# Altium PCB quadruped.PcbDoc (continued)
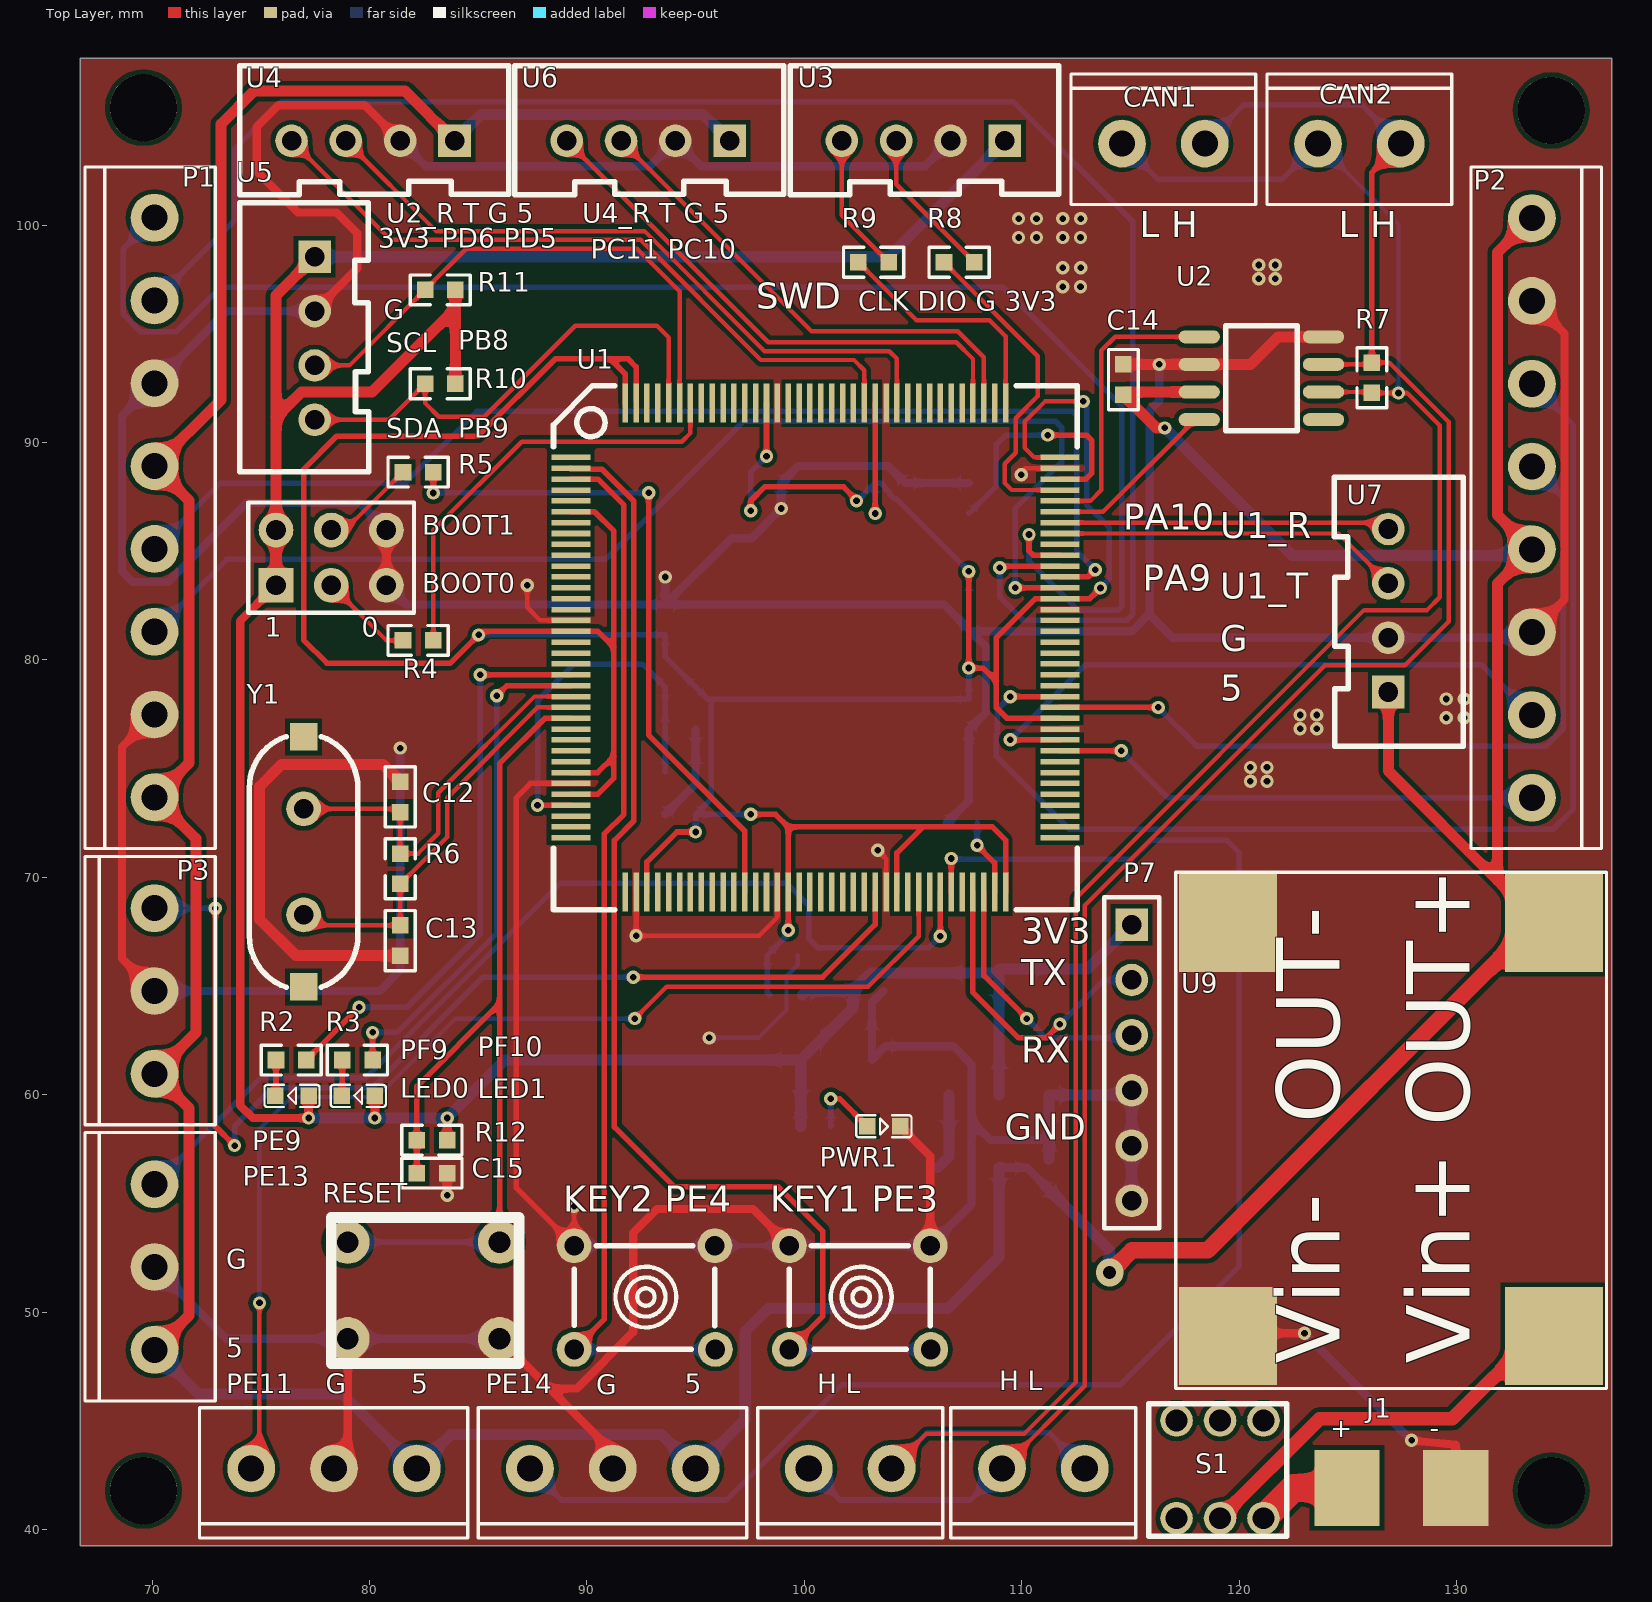
[diagram p0: Top Layer view]
## Footprints (in the part's own frame and the unit in brackets; to place one, negate y for a bottom-side part, rotate by r counter-clockwise, add the part's x,y. Pads: shape width x height; smd on the part's side, far side on the other; paste and mask are expansions set on the pad) (continued)
KEY_M [mm]
  round 1.6 hole 0.9: 1(-3.302,2.362) 1(3.175,2.362) 2(-3.302,-2.413) 2(3.2,-2.413)
  silkscreen extent -3.3,-2.41 3.17,2.36, body extent -4.18,-3.27 4.09,3.23, height 4.3
KF3.81直针-2P [mm]
  round 2.2 hole 1.2: 1(0,0) 2(3.81,0)
  silkscreen extent -2.35,-2.8 6.16,3.2
KF3.81直针-3P [mm]
  round 2.2 hole 1.2: 1(0,0) 2(3.81,0) 3(7.62,0)
  silkscreen extent -2.35,-2.8 10,3.2
KF3.81直针-8P [mm]
  round 2.2 hole 1.2: 1(0,0) 2(3.81,0) 3(7.62,0) 4(11.43,0) 5(15.24,0) 6(19.05,0) 7(22.86,0) 8(26.67,0)
  silkscreen extent -2.35,-2.8 29,3.2
LC-SOD-123F [mm]
  rect 1.25x1 smd: 1(1.475,0) 2(-1.475,0)
  silkscreen extent -2.59,-0.7 3.35,0.7, body extent -1.9,-0.85 1.85,0.85, height 1.2
lQFP144 [mm]
  rect 1.8x0.254 smd: 1(-11.185,8.56) 2(-11.185,8.06) 3(-11.185,7.56) 4(-11.185,7.06) 5(-11.185,6.56) 6(-11.185,6.06) 7(-11.185,5.56) 8(-11.185,5.06) 9(-11.185,4.56) 10(-11.185,4.06) 11(-11.185,3.56) 12(-11.185,3.06) 13(-11.185,2.56) 14(-11.185,2.06) 15(-11.185,1.56) 16(-11.185,1.06) 17(-11.185,0.56) 18(-11.185,0.06) 19(-11.185,-0.44) 20(-11.185,-0.94) 21(-11.185,-1.44) 22(-11.185,-1.94) 23(-11.185,-2.44) 24(-11.185,-2.94) 25(-11.185,-3.44) 26(-11.185,-3.94) 27(-11.185,-4.44) 28(-11.185,-4.94) 29(-11.185,-5.44) 30(-11.185,-5.94) 31(-11.185,-6.44) 32(-11.185,-6.94) 33(-11.185,-7.44) 34(-11.185,-7.94) 35(-11.185,-8.44) 36(-11.185,-8.94) 73(11.315,-8.94) 74(11.315,-8.44) 75(11.315,-7.94) 76(11.315,-7.44) 77(11.315,-6.94) 78(11.315,-6.44) 79(11.315,-5.94) 80(11.315,-5.44) 81(11.315,-4.94) 82(11.315,-4.44) 83(11.315,-3.94) 84(11.315,-3.44) 85(11.315,-2.94) 86(11.315,-2.44) 87(11.315,-1.94) 88(11.315,-1.44) 89(11.315,-0.94) 90(11.315,-0.44) 91(11.315,0.06) 92(11.315,0.56) 93(11.315,1.06) 94(11.315,1.56) 95(11.315,2.06) 96(11.315,2.56) 97(11.315,3.06) 98(11.315,3.56) 99(11.315,4.06) 100(11.315,4.56) 101(11.315,5.06) 102(11.315,5.56) 103(11.315,6.06) 104(11.315,6.56) 105(11.315,7.06) 106(11.315,7.56) 107(11.315,8.06) 108(11.315,8.56)
  rect 0.254x1.8 smd: 37(-8.685,-11.44) 38(-8.185,-11.44) 39(-7.685,-11.44) 40(-7.185,-11.44) 41(-6.685,-11.44) 42(-6.185,-11.44) 43(-5.685,-11.44) 44(-5.185,-11.44) 45(-4.685,-11.44) 46(-4.185,-11.44) 47(-3.685,-11.44) 48(-3.185,-11.44) 49(-2.685,-11.44) 50(-2.185,-11.44) 51(-1.685,-11.44) 52(-1.185,-11.44) 53(-0.685,-11.44) 54(-0.185,-11.44) 55(0.315,-11.44) 56(0.815,-11.44) 57(1.315,-11.44) 58(1.815,-11.44) 59(2.315,-11.44) 60(2.815,-11.44) 61(3.315,-11.44) 62(3.815,-11.44) 63(4.315,-11.44) 64(4.815,-11.44) 65(5.315,-11.44) 66(5.815,-11.44) 67(6.315,-11.44) 68(6.815,-11.44) 69(7.315,-11.44) 70(7.815,-11.44) 71(8.315,-11.44) 72(8.815,-11.44) 109(8.815,11.06) 110(8.315,11.06) 111(7.815,11.06) 112(7.315,11.06) 113(6.815,11.06) 114(6.315,11.06) 115(5.815,11.06) 116(5.315,11.06) 117(4.815,11.06) 118(4.315,11.06) 119(3.815,11.06) 120(3.315,11.06) 121(2.815,11.06) 122(2.315,11.06) 123(1.815,11.06) 124(1.315,11.06) 125(0.815,11.06) 126(0.315,11.06) 127(-0.185,11.06) 128(-0.685,11.06) 129(-1.185,11.06) 130(-1.685,11.06) 131(-2.185,11.06) 132(-2.685,11.06) 133(-3.185,11.06) 134(-3.685,11.06) 135(-4.185,11.06) 136(-4.685,11.06) 137(-5.185,11.06) 138(-5.685,11.06) 139(-6.185,11.06) 140(-6.685,11.06) 141(-7.185,11.06) 142(-7.685,11.06) 143(-8.185,11.06) 144(-8.685,11.06)
  silkscreen extent -11.99,-12.24 12.11,11.86, body extent -10.82,-11.07 10.95,10.7, height 1.71
"MP1584N DC-DC" [mm]
  rect 4.5x4.5 smd: 1(0,0) 2(0,15) 3(19,0) 4(19,15)
  silkscreen extent -2.41,-2.41 21.34,17.4
POWER_PAD [mm]
  rect 3x3.5 smd: 0(5,0) 1(0,0)
R0603 [mil]
  rect 30x30 smd: 1(0,0) 2(55,0)
  silkscreen extent -27,-27 82,27, body extent -4,-18 58,16, height 18
SOP8 [mm]
  round 0.508 on Top Overlay: 0(-3.175,-2.858)
  oval 0.6x1.9 smd: 1(-1.905,-2.858) 2(-0.635,-2.858) 3(0.635,-2.858) 4(1.905,-2.858) 5(1.905,2.858) 6(0.635,2.858) 7(-0.635,2.858) 8(-1.905,2.858)
  silkscreen extent -2.41,-1.65 2.41,1.65, body extent -2.49,-1.99 2.49,1.99, height 1.75
SOT223 [mm]
  rect 1x2.4 smd: 1(-2.3,-2.9) 2(0,-2.9) 3(2.3,-2.9)
  rect 3.4x2.4 smd: 4(0,2.9)
  silkscreen extent -3.48,-3.02 3.35,1.3, body extent -3.35,-1.85 3.35,1.85, height 1.8
XH2.54-4 [mm]
  rect 1.5x1.5 hole 0.9: 1(0,0)
  round 1.5 hole 0.9: 2(2.5,0) 3(5,0) 4(7.5,0)
  silkscreen extent -2.49,-3.45 9.88,2.49, body extent -2.47,-3.38 9.93,2.37, height 7
XTAL_US [mm]
  round 1.6 hole 0.9: 1(-2.44,0) 2(2.44,0)
  rect 1.27x1.27 smd: ""(-5.75,0) ""(5.75,0)
  silkscreen extent -5.77,-2.5 5.77,2.5, body extent -5.39,-2.26 5.41,2.24, height 3.5
自锁开关5.8*5.8 [mm]
  round 1.5 hole 1: 1(0,-4.5) 2(2,-4.5) 3(4,-4.5) 4(0,0) 5(2,0) 6(4,0)
  silkscreen extent -1.27,-5.33 5.08,0.77, body extent -2.1,-6.16 5.91,1.84, height 13.5

## Part data
BOOT0: library part "Header 3X2", "Header, 3-Pin, Dual row", LatestRevisionDate=17-Jul-2002, LatestRevisionNote="Re-released for DXP Platform.", Publisher="Altium Limited"
C1 C3 C4 C5 C6 C7 C8 C9 C10 C11 C12 C13 C14 C15 C17 C18: library part C
C2: library part C_1
C16: library part CAP
CAN1 CAN2 "H L" "H L": library part HEAD2
D1: library part 肖特基
"KEY1 PE3" "KEY2 PE4": library part KEY_M
L1: library part L
LED0 LED1 PWR1: library part LED2, "Typical RED, GREEN, YELLOW, AMBER GaAs LED", PackageDocument=Feb-2002, LatestRevisionDate=17-Jul-2002, LatestRevisionNote="Re-released for DXP Platform.", PackageReference=3.2X1.6X1.1, Published=8-Jun-2000, Publisher="Altium Limited"
P1 P2: library part KF3.81-8P
P7: "Header, 6-Pin", LatestRevisionDate=17-Jul-2002, LatestRevisionNote="Re-released for DXP Platform.", Publisher="Altium Limited"
R1 R2 R3 R4 R5 R6 R7 R8 R9 R12 R13: library part R
R10 R11: library part R-0805, "R-0805"
S1: library part Switch_5.8
U1: "ARM Cortex-M4 32b MCU+FPU, 210DMIP, 1024 kB Flash, 192+4 kB RAM, Camera, 114 I/Os, 144-pin LQFP, -40 to +85癈, Tray", Operating Frequency (Processor Speed)=168MHz, 16-bit Timers (IC/OC/PWM)=12x16-bit(24/24/30), 32-bit Timer (IC/OC/PWM)="2x32-bit (8/8/8)", A/D Converter=24x12-bit, ComponentLink1Description="Manufacturer URL", ComponentLink1URL=http://www.st.com/, ComponentLink2Description="STM32F405/7 Datasheet", ComponentLink2URL=http://www.st.com/internet/com/TECHNICAL_RESOURCES/TECHNICAL_LITERATURE/DATASHEET/DM00037051.pdf, ComponentLink3Description="STM32F4 Web Page", ComponentLink3URL=http://www.st.com/internet/mcu/subclass/1521.jsp, D/A Converter=2x12-bit, DatasheetVersion="rev2, Jan-2012", Internal RAM=192kB, Other Timer Functions="2xWDG, RTC, 24-bit down counter", PackageDescription="144-Pin Low Profile Quad Flat Package, 20x20 mm Body, 0.5 mm Pitch", PackageReference=TQFP144, PackageVersion=2012, Serial Interface="3xSPI/2xI2S/2xI2C/3xUSART(IrDa, ISO7816)/3xUART/2xUSB OTG FS/HS, 2xCAN/Ethernet MAC10/100, SDIO"
U2: library part SN65HVD230D
U3 U4 U5 U6 U7: library part XH2.54插座-4P
U8: library part AMS1117
U9: library part "MP1584N 降压模块"
Y1: library part XTAL, "Crystal Oscillator", LatestRevisionDate=17-Jul-2002, LatestRevisionNote="Re-released for DXP Platform.", Published=8-Jun-2000, Publisher="Altium Limited"

## Free pads (board coordinates)
  round 3.1 hole 3.1: 0(69.596,105.41) 1(69.596,41.783) 2(134.366,41.783) 3(134.366,105.283)

## Via types
v1: diameter 0.61, hole 0.305, Top Layer to Bottom Layer, tented both sides, 85 vias
v2: diameter 1.27, hole 0.61, Top Layer to Bottom Layer, tented both sides, 1 vias

## Nets (pads, with @x,y where several pads share a name; then routed paths per layer and width w, separated by ;. In a path a pad name is that pad's centre, name@x,y a point inside that pad or via, vN(x,y) a via of type N, cw(c..) or ccw(c..) an arc to the next point about the centre after c; other vN are vias at no path point)
BOOT0: R4.1 U1.138 | length 20.1
  Top Layer w0.203: R4.1 82.931,85.979 86.995,90.043 94.361,90.043 94.76,90.442 U1.138
BOOT1: R5.2 U1.48 | length 31.1
  Top Layer w0.254: v1(82.931,87.681) R5.2 ; v1(92.837,87.692) 92.837,76.556 97.26,72.133 U1.48
  Bottom Layer w0.254: v1(82.931,87.681) 82.942,87.692 v1(92.837,87.692)
C1: P1.3 U1.96 | length 56.2
  Top Layer w0.254: v1(109.703,83.319) U1.96
  Bottom Layer w0.254: P1.3 73.437,84.633 90.856,84.633 97.206,90.983 111.557,90.983 111.836,90.703 111.836,89.103 109.703,86.97 v1(109.703,83.319)
C2: P1.4 U1.97 | length 54.3
  Top Layer w0.254: U1.97 113.054,83.819 v1(113.386,84.15)
  Bottom Layer w0.254: P1.4 73.132,88.138 81.636,88.138 84.938,91.44 112.334,91.44 112.535,91.24 112.535,85.001 v1(113.386,84.15)
C3: P1.7 U1.98 | length 81.9
  Top Layer w0.254: v1(108.991,84.239) 109.072,84.319 U1.98
  Bottom Layer w0.254: P1.7 73.787,100.223 73.787,103.505 75.971,105.689 109.601,105.689 115.112,100.178 115.112,82.099 114.852,81.839 110.058,81.839 108.991,82.906 v1(108.991,84.239)
C4: P1.8 U1.99 | length 72.4
  Top Layer w0.254: v1(110.338,85.776) 110.338,85.022 110.541,84.819 U1.99
  Bottom Layer w0.254: P1.8 68.656,98.902 68.656,95.91 69.469,95.098 71.095,95.098 73.152,97.155 109.13,97.155 114.615,91.671 114.615,82.484 114.427,82.296 112.598,82.296 110.338,84.557 v1(110.338,85.776)
C5: P2.8 U1.81 | length 22.6
  Top Layer w0.254: U1.81 v1(114.579,75.819)
  Bottom Layer w0.254: v1(114.579,75.819) 116.738,73.66 P2.8
C6: P2.7 U1.82 | length 28.7
  Top Layer w0.254: v1(109.474,76.327) 109.482,76.319 U1.82
  Bottom Layer w0.254: v1(109.474,76.327) 112.928,79.781 131.166,79.781 P2.7
C7: P2.4 U1.85 | length 36.9
  Top Layer w0.254: U1.85 v1(116.281,77.819)
  Bottom Layer w0.254: v1(116.281,77.819) 118.078,76.022 134.112,76.022 134.925,76.835 134.925,87.452 P2.4
C8: P2.3 U1.86 | length 54
  Top Layer w0.254: v1(109.474,78.308) 109.485,78.319 U1.86
  Bottom Layer w0.254: v1(109.474,78.308) 108.878,77.712 108.878,76.594 108.839,76.556 108.839,75.565 112.192,72.212 134.442,72.212 135.382,73.152 135.382,90.805 P2.3
CAN1_H: "H L.2" CAN1.2 CAN2.2 R7.2 U2.7 | length 96.8
  Top Layer w0.203: 109.093,42.799 112.903,46.609 112.903,68.707 123.952,79.756 127.635,79.756 129.642,81.763 129.642,90.957 126.917,93.682 R7.2 ; U2.7 R7.2@126.028,93.599
  Top Layer w0.254: R7.2 126.111,102.426 CAN2.2
  Bottom Layer w0.254: 100.203,42.799 101.651,41.351 107.645,41.351 109.093,42.799 ; CAN1.2 120.205,105.537 125.666,105.537 CAN2.2
CAN1_L: "H L.1" CAN1.1 CAN2.1 R7.1 U2.6 | length 102.4
  Top Layer w0.203: 104.013,42.799 105.621,44.407 110.126,44.407 112.497,46.777 112.497,69.038 125.754,82.296 128.651,82.296 129.235,82.88 129.235,90.789 127.739,92.285 v1(127.337,92.285) R7.1 126.067,92.329 U2.6
  Bottom Layer w0.203: CAN2.1 127.337,100.056 v1(127.337,92.285)
  Bottom Layer w0.254: 104.013,42.799 105.664,44.45 111.252,44.45 112.903,42.799 ; CAN1.1 116.268,102.108 121.983,102.108 CAN2.1
CAN1_RX: U1.103 U2.4 | length 8.2
  Top Layer w0.203: U1.103 113.743,86.819 117.983,91.059 U2.4
CAN1_TX: U1.104 U2.1 | length 13.3
  Top Layer w0.203: U1.104 113.165,87.319 113.665,87.819 113.665,94.234 114.3,94.869 U2.1
GND: "KEY1 PE3.1" "KEY2 PE4.1" BOOT0.5 BOOT0.6 C1.1 C2.1 C3.2 C4.1 C5.1 C6.1 C7.1 C8.1 C9.1 C10.1 C11.1 C12.1 C13.1 C14.2 C15.1 C16.2 C17.1 C18.1 J1.0 P1.2 P1.6 P2.2 P2.6 P3.2 P7.4 P7.5 P7.6 PE11.2 PE13.2 PE14.2 PWR1.2 RESET.2 U1.16 U1.31 U1.38 U1.51 U1.61 U1.83 U1.94 U1.107 U1.120 U1.130 U2.2 U2.8 U3.2 U4.2 U5.2 U6.2 U7.2 U8.1 U9.2 U9.4 | length 439.2
  Top Layer w0.203: v1(87.249,83.439) 87.249,82.423 87.853,81.819 U1.16 ; 89.408,53.052 v1(89.408,54.864) ; v1(92.26,67.31) 97.917,67.31 98.76,68.153 U1.51 ; v1(103.378,71.247) 103.76,70.865 U1.61 ; v1@109.982,88.646 110.155,88.819 U1.107
  Top Layer w0.254: U1.31 87.4,74.319 86.741,73.66 86.741,55.719 89.408,53.052 ; v1(92.26,67.31) U1.38
  Top Layer w0.381: P3.2 68.605,66.269 68.605,75.991 P1.2 ; U5.2 79.426,98.008 79.426,99.644 78.486,100.584 76.708,100.584 74.803,102.489 74.803,104.521 75.806,105.524 79.769,105.524 U4.2 ; PE11.2 78.994,43.434 RESET.2@78.994,48.768 ; BOOT0.5 BOOT0.6 ; C13.1@81.382,66.369 C13.1 ; v1(83.566,55.372) C15.1 ; RESET.2@85.725,48.768 85.979,48.768 88.265,46.482 ; PE14.2 91.186,43.561 88.265,46.482 ; 99.314,53.052 97.629,54.737 93.218,54.737 92.126,53.645 92.126,49.073 89.535,46.482 88.265,46.482 ; PWR1.2 105.791,57.175 105.791,53.052 ; v1(116.332,93.599) U2.2 ; U9.2@118.72,49.047 118.745,49.022 v1(123.012,49.022) ; U9.4@118.745,68.022 U9.4@119.253,68.53 ; v1(127.94,44.094) 129.968,43.891 J1.0 ; P2.6 134.976,82.779 134.976,95.021 P2.2
  Top Layer w0.508: C13.1 76.608,66.394 74.93,68.072 74.93,74.168 75.946,75.184 80.618,75.184 C12.1 ; C14.2 U2.2 120.523,93.599 121.793,94.869 U2.8
  Bottom Layer w0.203: 89.408,53.052 95.885,53.052 99.314,53.052 ; v1(95.631,62.611) 97.892,62.611 99.179,63.898 99.179,65.451 99.695,65.967 C11.1
  Bottom Layer w0.381: PE13.2 73.406,48.768 78.994,48.768 RESET.2@85.979,48.768 ; P3.2 80.467,64.77 81.407,65.71 v1(81.407,75.946) ; U5.2 73.426,96.052 P1.6 68.605,91.231 68.605,84.074 69.088,83.591 70.714,83.591 74.346,87.224 79.527,87.224 BOOT0.6 ; BOOT0.5 81.661,82.55 C10.1 ; U4.2 82.575,102.718 92.899,102.718 U6.2 95.235,102.718 105.559,102.718 U3.2 ; C6.1 94.996,74.295 C5.1 C4.1 ; v1(93.599,83.82) C10.1 ; 99.314,53.052 105.791,53.052 107.696,54.957 107.696,58.776 ; C17.1 103.111,64.249 C16.2 103.746,62.23 106.858,62.23 107.696,61.392 107.696,58.776 ; C1.1 107.569,73.533 C2.1 108.356,77.593 108.356,80.62 C7.1@107.658,81.318 ; C3.2 C8.1 103.861,88.925 99.72,88.925 C9.1 v1(98.933,86.97) 97.561,85.598 96.647,85.598 C10.1 ; 111.266,58.293 110.885,57.912 108.56,57.912 107.696,58.776 ; 115.859,82.109 115.068,81.318 C7.1@107.658,81.318 ; v1(116.332,93.599) 116.332,91.948 115.887,91.504 115.887,82.105 115.875,82.093 116.942,81.026 U7.2 133.223,81.026 P2.6 ; v1(123.012,49.022) v1(127.94,44.094) ; C10.1 106.426,82.55 C7.1 C7.1@107.658,81.318
  Bottom Layer w0.508: C18.1 U8.1 114.85,59.986 P7.4 P7.5 P7.6
  other v1: 120.523,74.422 121.285,74.422 120.523,75.057 121.285,75.057 122.809,76.835 123.571,76.835 129.54,77.337 130.362,77.337 122.809,77.47 123.571,77.47 129.54,78.203 130.366,78.203 109.982,88.519 111.887,97.178 112.709,97.178 120.904,97.536 121.666,97.536 111.887,98.044 112.713,98.044 120.904,98.171 121.666,98.171 109.858,99.441 110.68,99.441 111.887,99.441 112.709,99.441 109.858,100.307 110.683,100.307 111.887,100.307 112.713,100.307
I2C1_SCL: R11.1 U1.139 U5.3 | length 25
  Top Layer w0.203: U5.3 79.074,93.552 R11.1 84.444,98.922 92.307,98.922 94.26,96.969 U1.139
I2C1_SDA: R10.1 U1.140 U5.4 | length 23.1
  Top Layer w0.203: U5.4 80.892,91.052 R10.1 82.55,91.821 83.185,91.186 85.273,91.186 89.464,95.377 93.218,95.377 93.76,94.835 U1.140
IO1: P3.3 U1.60 | length 49.8
  Top Layer w0.254: v1(72.898,68.58) 72.898,58.547 v1(73.787,57.658) ; v1(92.126,65.405) 100.838,65.405 103.26,67.827 U1.60
  Bottom Layer w0.254: P3.3 v1(72.898,68.58) ; v1(73.787,57.658) 73.787,58.547 75.565,60.325 80.137,60.325 85.217,65.405 v1(92.126,65.405)
IO2: PE11.3 U1.64 | length 51.8
  Top Layer w0.203: PE11.3 74.93,43.18 v1(74.93,50.419) ; v1(92.202,63.5) 93.664,64.962 102.935,64.962 105.26,67.287 U1.64
  Bottom Layer w0.203: v1(74.93,50.419) 74.93,58.42 76.403,59.893 80.34,59.893 83.947,63.5 v1(92.202,63.5)
IO3: PE13.3 U1.66 | length 46.3
  Top Layer w0.254: v1(106.248,67.285) 106.26,67.296 U1.66
  Bottom Layer w0.254: PE13.3 75.006,60.782 79.832,60.782 88.781,69.731 99.179,69.731 100.203,68.707 100.203,67.183 100.635,66.751 105.715,66.751 v1(106.248,67.285)
IO4: PE14.3 U1.67 | length 72.1
  Top Layer w0.254: U1.67 v1(106.76,70.866)
  Bottom Layer w0.254: PE14.3 88.824,41.351 96.418,41.351 101.727,46.66 114.554,46.66 120.015,52.121 120.015,71.129 119.44,71.704 115.951,71.704 115.085,70.838 106.788,70.838 v1(106.76,70.866)
KEY1: "KEY1 PE3.2" U1.2 | length 56.8
  Top Layer w0.254: U1.2 89.26,88.776 90.69,88.776 92.151,87.315 92.151,72.593 91.262,71.704 91.262,58.513 94.022,55.753 98.806,55.753 100.838,53.721 100.838,49.801 99.314,48.277
  Bottom Layer w0.254: 99.314,48.277 105.816,48.277
KEY2: "KEY2 PE4.2" U1.3 | length 49.2
  Top Layer w0.254: U1.3 90.5,88.319 91.694,87.125 91.694,72.898 90.805,72.009 90.805,49.674 89.408,48.277
  Bottom Layer w0.254: 89.408,48.277 95.91,48.277
LED0: R2.2 U1.21 | length 26.5
  Top Layer w0.254: R2.2 v1(79.516,64.022) ; v1(85.09,79.319) U1.21
  Bottom Layer w0.254: v1(79.516,64.022) 81.726,64.022 85.09,67.386 v1(85.09,79.319)
LED1: R3.2 U1.22 | length 23.4
  Top Layer w0.254: R3.2 v1(80.137,62.865) ; v1(85.852,78.359) 86.312,78.819 U1.22
  Bottom Layer w0.254: v1(80.137,62.865) 81.268,62.865 85.852,67.449 v1(85.852,78.359)
NetBOOT1_3: BOOT0.3 R4.2 | length 4.4
  Top Layer w0.203: BOOT0.3 80.772,80.899 R4.2
NetBOOT1_4: BOOT0.4 R5.1 | length 4.4
  Top Layer w0.203: BOOT0.4 78.867,85.979 R5.1
NetC1_2: C1.2 U1.71 | length 3.5
  Top Layer w0.254: v1(107.95,71.473) 108.76,70.663 U1.71
  Bottom Layer w0.254: v1(107.95,71.473) C1.2
NetC3_1: C3.1 U1.106 | length 11.5
  Top Layer w0.254: v1(111.201,90.348) 112.979,90.348 113.233,90.094 113.233,88.595 112.957,88.319 U1.106
  Bottom Layer w0.254: C3.1 108.839,88.011 108.839,89.916 109.271,90.348 v1(111.201,90.348)
NetC4_2: C4.2 C5.2 R1.2 U1.33 | length 17.3
  Top Layer w0.254: v1(87.725,73.319) U1.33
  Bottom Layer w0.254: v1(87.725,73.319) 87.725,78.124 89.408,79.807 92.552,79.807 R1.2 C4.2 C5.2
NetD1_2: D1.2 U8.3 | length 3.6
  Bottom Layer w0.508: D1.2 106.666,57.165 U8.3
NetDS1_2: LED0.2 R2.1 | length 1.7
  Top Layer w0.254: LED0.2 75.692,59.969 R2.1
NetDS2_2: LED1.2 R3.1 | length 1.7
  Top Layer w0.254: LED1.2 78.74,59.969 R3.1
NetJ1_1: J1.1 S1.3 | length 4.4
  Top Layer w1.27: S1.3 122.523,41.91 J1.1
NetPWR1_1: PWR1.1 R13.1 | length 3.5
  Top Layer w0.254: v1(101.219,59.817) 101.625,59.817 PWR1.1
  Bottom Layer w0.254: R13.1 101.26,58.588 101.219,58.629 v1(101.219,59.817)
NetR8_2: R8.2 U3.3 | length 7.1
  Top Layer w0.203: U3.3 104.227,101.894 R8.2
NetR9_2: R9.2 U3.4 | length 6.5
  Top Layer w0.203: U3.4 101.727,100.457 R9.2
OSC_IN: C12.2 R6.1 U1.23 Y1.1 | length 18.4
  Top Layer w0.203: Y1.1 81.253,73.152 C12.2 R6.1 82.229,71.093 83.16,72.023 83.16,73.889 87.59,78.319 U1.23
OSC_OUT: C13.2 R6.2 U1.24 Y1.2 | length 18.8
  Top Layer w0.203: Y1.2 77.443,67.791 C13.2 R6.2 83.566,71.855 83.566,73.66 87.725,77.819 U1.24
PA9: U1.101 U7.3 | length 16.1
  Top Layer w0.203: U1.101 124.58,85.819 U7.3
PA10: U1.102 U7.4 | length 15.2
  Top Layer w0.203: U1.102 126.58,86.319 U7.4
PC10: U1.111 U6.3 | length 22.9
  Top Layer w0.203: U6.3 100.33,95.123 107.061,95.123 108.26,93.924 U1.111
PC11: U1.112 U6.4 | length 24.9
  Top Layer w0.203: U6.4 98.338,94.615 106.994,94.615 107.76,93.849 U1.112
PD5: U1.119 U4.3 | length 31.5
  Top Layer w0.203: U4.3 83.058,99.735 92.643,99.735 98.17,94.209 103.911,94.209 104.26,93.86 U1.119
PD6: U1.122 U4.4 | length 32.2
  Top Layer w0.203: U4.4 80.964,99.329 92.475,99.329 98.001,93.802 102.286,93.802 102.76,93.328 U1.122
RESET: C15.2 R12.1 RESET.1 U1.25 | length 42.5
  Top Layer w0.254: C15.2 R12.1 82.169,60.376 85.979,64.186 ; RESET.1@85.979,53.213 85.979,64.186 ; U1.25 88.063,77.319 85.979,75.235 85.979,64.186
  Bottom Layer w0.254: RESET.1@78.994,53.213 RESET.1@85.979,53.213
SWCLK: R9.1 U1.109 | length 11.3
  Top Layer w0.203: R9.1 105.156,95.631 108.518,95.631 109.26,94.889 U1.109
SWDIO: R8.1 U1.105 | length 15.3
  Top Layer w0.203: R8.1 110.744,93.98 110.744,92.142 109.728,91.126 109.728,89.535 109.22,89.027 109.22,88.138 109.539,87.819 U1.105
U3_RX: P7.3 U1.70 | length 11.9
  Top Layer w0.254: U1.70 108.26,65.476 v1(110.236,63.5)
  Bottom Layer w0.254: v1(110.236,63.5) 111.125,62.611 114.935,62.611 P7.3
U3_TX: P7.2 U1.69 | length 13.9
  Top Layer w0.254: U1.69 107.76,64.706 109.855,62.611 111.125,62.611 v1(111.76,63.246)
  Bottom Layer w0.254: v1(111.76,63.246) 113.792,65.278 P7.2
VCC3.3: BOOT0.1 BOOT0.2 C16.1 C17.2 L1.2 LED0.1 LED1.1 P7.1 R10.2 R11.2 R12.2 R13.2 U3.1 U5.1 U8.2 U8.4 | length 149.6
  Top Layer w0.381: BOOT0.1 74.041,81.788 74.041,59.512 74.625,58.928 v1(77.191,58.928) LED0.1 ; v1(80.239,58.928) LED1.1 ; R12.2 v1(83.566,58.928)
  Top Layer w0.508: BOOT0.1 BOOT0.2 75.692,91.161 ; U5.1 75.692,96.774 75.692,91.161 ; R10.2 R11.2 83.947,96.164 80.112,92.329 76.86,92.329 75.692,91.161
  Bottom Layer w0.508: v1(77.191,58.928) v1(83.566,58.928) 86.233,61.595 C16.1 ; U5.1 103.893,98.552 U3.1 ; R13.2 99.835,58.56 C16.1 ; L1.2 100.101,64.77 C17.2 ; U8.2 U8.4@108.966,65.608 ; P7.1 113.03,65.786 U8.4 U8.4@108.966,65.608 ; C16.1 102.235,63.995 C17.2 ; C17.2 102.235,64.782 103.062,65.608 U8.4@108.966,65.608
VCC5: C14.1 C18.2 D1.1 P1.1 P1.5 P2.1 P2.5 P3.1 PE11.1 PE13.1 PE14.1 U2.3 U4.1 U6.1 U7.1 U9.3 | length 248.1
  Top Layer w0.508: PE13.1 71.679,49.835 71.679,59.385 P3.1 72.009,62.865 72.009,71.775 P1.1 71.679,75.255 71.679,87.345 P1.5 73.152,91.968 73.152,104.648 74.676,106.172 81.621,106.172 U4.1 ; v1(116.586,90.678) 116.205,90.678 C14.1 114.808,92.329 U2.3 117.043,92.329 ; U7.1 126.873,74.894 131.902,69.865 ; P2.1 131.902,98.755 131.902,86.665 P2.5 131.902,83.515 131.902,69.865 ; U9.3 133.872,67.895 133.745,68.022 131.902,69.865
  Top Layer w0.762: v2(114.046,51.816) 115.062,52.832 118.555,52.832 U9.3@133.745,68.022
  Bottom Layer w0.381: D1.1 110.25,56.642 C18.2
  Bottom Layer w0.508: PE13.1 72.136,46.228 78.74,46.228 PE11.1 83.744,44.374 93.421,44.374 PE14.1 97.282,45.085 97.282,49.098 98.349,50.165 106.604,50.165 108.966,52.527 108.966,56.642 D1.1 ; U4.1 85.126,105.105 95.348,105.105 U6.1 ; C18.2 114.046,52.846 v2(114.046,51.816) ; v1(116.586,90.678) 122.453,84.811 133.198,84.811 P2.5
VCC24: S1.2 U9.1 | length 18.1
  Top Layer w0.635: S1.2 123.698,45.085 129.808,45.085 U9.1@133.745,49.022
VCC_3.3V_MCU: C2.2 C6.2 C7.2 C8.2 C9.2 C10.2 C11.2 L1.1 R1.1 U1.6 U1.17 U1.30 U1.32 U1.39 U1.52 U1.62 U1.72 U1.84 U1.95 U1.108 U1.121 U1.131 U1.143 U1.144 | length 188
  Top Layer w0.203: U1.108 110.579,89.319 110.134,89.764 110.134,90.957 111.074,91.897 v1(112.833,91.897)
  Top Layer w0.254: U1.32 90.5,73.819 90.5,73.826 91.237,74.562 91.237,75.565 ; U1.30 90.491,74.819 91.237,75.565 ; U1.6 90.346,86.819 91.237,85.928 91.237,80.582 ; U1.144 91.76,93.159 91.059,93.86 ; U1.143@92.26,91.948 92.26,93.49 91.89,93.86 91.059,93.86 ; U1.39 92.76,70.714 94.132,72.085 v1(94.996,72.085) ; v1(97.536,72.898) 98.681,72.898 99.26,72.319 ; v1(97.536,86.868) 97.536,87.325 98.171,87.96 101.803,87.96 102.4,87.364 v1(102.4,87.319) ; v1(98.26,89.37) U1.131 ; v1(99.26,67.564) U1.52 99.26,72.319 ; v1(103.26,86.741) U1.121 ; U1.62 104.26,71.12 105.41,72.27 105.41,72.319 ; v1(107.569,84.074) v1(107.569,79.629) 108.229,79.629 108.839,79.019 ; U1.72 109.26,71.715 108.656,72.319 105.41,72.319 ; U1.84 109.322,77.319 108.839,77.802 108.839,79.019 ; v1(113.625,83.312) 113.132,82.819 U1.95 110.632,82.819 108.839,81.026 108.839,79.019 ; 91.059,93.86 88.558,93.86 84.995,90.297 78.486,90.297 76.962,88.773 76.962,80.924 78.029,79.858 83.718,79.858 v1(85.014,81.153) 85.18,81.319 U1.17 90.5,81.319 91.237,80.582 ; 91.237,75.565 91.237,80.582 ; 99.26,72.319 105.41,72.319
  Bottom Layer w0.254: v1(85.014,81.153) C10.2 93.599,80.157 R1.1 95.553,78.203 ; v1(94.996,72.085) C6.2 ; v1(97.536,72.898) C6.2 ; v1(97.536,86.868) C9.2 97.536,88.646 v1(98.26,89.37) ; L1.1 98.298,64.694 C11.2 99.263,67.386 99.26,67.389 v1(99.26,67.564) ; v1(102.4,87.319) 102.432,87.319 C8.2 ; v1(103.26,86.741) 103.26,88.129 C8.2 ; v1(107.569,79.629) C2.2 95.553,78.203 ; C7.2 v1(107.569,84.074) 104.216,87.427 104.13,87.427 103.937,87.62 103.937,87.706 103.505,88.138 C8.2 ; v1(112.833,91.897) 112.833,91.783 112.992,91.624 112.992,87.135 114.039,86.088 114.039,83.726 v1(113.625,83.312) ; C6.2 95.707,73.609 95.707,78.049 95.553,78.203
pads on no net: S1.1 S1.4 S1.5 S1.6 U1.1 U1.4 U1.5 U1.7 U1.8 U1.9 U1.10 U1.11 U1.12 U1.13 U1.14 U1.15 U1.18 U1.19 U1.20 U1.26 U1.27 U1.28 U1.29 U1.34 U1.35 U1.36 U1.37 U1.40 U1.41 U1.42 U1.43 U1.44 U1.45 U1.46 U1.47 U1.49 U1.50 U1.53 U1.54 U1.55 U1.56 U1.57 U1.58 U1.59 U1.63 U1.65 U1.68 U1.73 U1.74 U1.75 U1.76 U1.77 U1.78 U1.79 U1.80 U1.87 U1.88 U1.89 U1.90 U1.91 U1.92 U1.93 U1.100 U1.110 U1.113 U1.114 U1.115 U1.116 U1.117 U1.118 U1.123 U1.124 U1.125 U1.126 U1.127 U1.128 U1.129 U1.132 U1.133 U1.134 U1.135 U1.136 U1.137 U1.141 U1.142 U2.0 U2.5 Y1.

## Polygon pours and split planes (outlines as drawn)
GND on Top Layer "Top Layer-No Net" (solid, remove dead copper, pour order 2): 66.675,39.243 137.16,39.243 137.16,107.696 66.675,107.696
GND on Bottom Layer "Top Layer-No Net1" (solid, remove dead copper, pour order 3): 66.675,39.243 137.16,39.243 137.16,107.696 66.675,107.696

## Silkscreen, mask and mechanical layers (free items; w line width, h text height)
Top Overlay:
  text "U2_R T G 5" at 80.772,99.822 h1.52
  text "U4_R T G 5" at 89.789,99.822 h1.52
  text "L H" at 115.443,99.06 h2.03
  text "L H" at 124.587,99.06 h2.03
  text "3V3" at 80.391,98.679 h1.52
  text "PD6 PD5" at 83.312,98.679 h1.52
  text "PC11 PC10" at 90.17,98.171 h1.52
  text "SWD" at 97.79,95.758 h2.03
  text "CLK DIO G 3V3" at 102.489,95.758 h1.52
  text "G" at 80.645,95.377 h1.52
  text "PB8" at 84.074,93.98 h1.52
  text "SCL" at 80.772,93.853 h1.52
  text "SDA" at 80.772,89.916 h1.52
  text "PB9" at 84.074,89.916 h1.52
  text "PA10" at 114.681,85.598 h2.03
  text "BOOT1" at 82.423,85.471 h1.52
  text "U1_R" at 119.126,85.217 h2.03
  text "PA9" at 115.57,82.804 h2.03
  text "U1_T" at 119.126,82.423 h2.03
  text "1" at 75.184,80.772 h1.52
  text "0" at 79.629,80.772 h1.52
  text "G" at 119.126,80.01 h2.03
  text "5" at 119.126,77.724 h2.03
  text "3V3" at 109.982,66.548 h2.03
  text "TX" at 109.982,64.643 h2.03
  text "PF10" at 84.963,61.468 h1.52
  text "PF9" at 81.407,61.341 h1.52
  text "RX" at 109.982,61.087 h2.03
  text "GND" at 109.22,57.531 h2.03
  text "PE9" at 74.6,57.15 h1.52
  text "G" at 73.406,51.689 h1.52
  text "5" at 73.406,47.625 h1.52
  text "G" at 77.978,45.974 h1.52
  text "5" at 81.915,45.974 h1.52
  text "5" at 94.488,45.974 h1.52
  text "G" at 90.424,45.91 h1.52
Mechanical 1:
  lines w0.152: 66.675,39.243 136.525,39.243 137.16,39.243 137.16,107.696 67.056,107.696 66.675,107.696 66.675,39.243

## Text inside footprints (layer, text, board x,y; h text height)
J1: Top Overlay "+" at 124.206,43.942 h1.52; Top Overlay "-" at 128.778,43.942 h1.52
U9: Top Overlay "OUT-" at 125.603,58.674 h5 r90; Top Overlay "OUT+" at 131.572,58.547 h5 r90; Top Overlay "Vin-" at 125.603,47.625 h5 r90; Top Overlay "Vin+" at 131.572,47.625 h5 r90